# KiCad board pcb.kicad_pcb
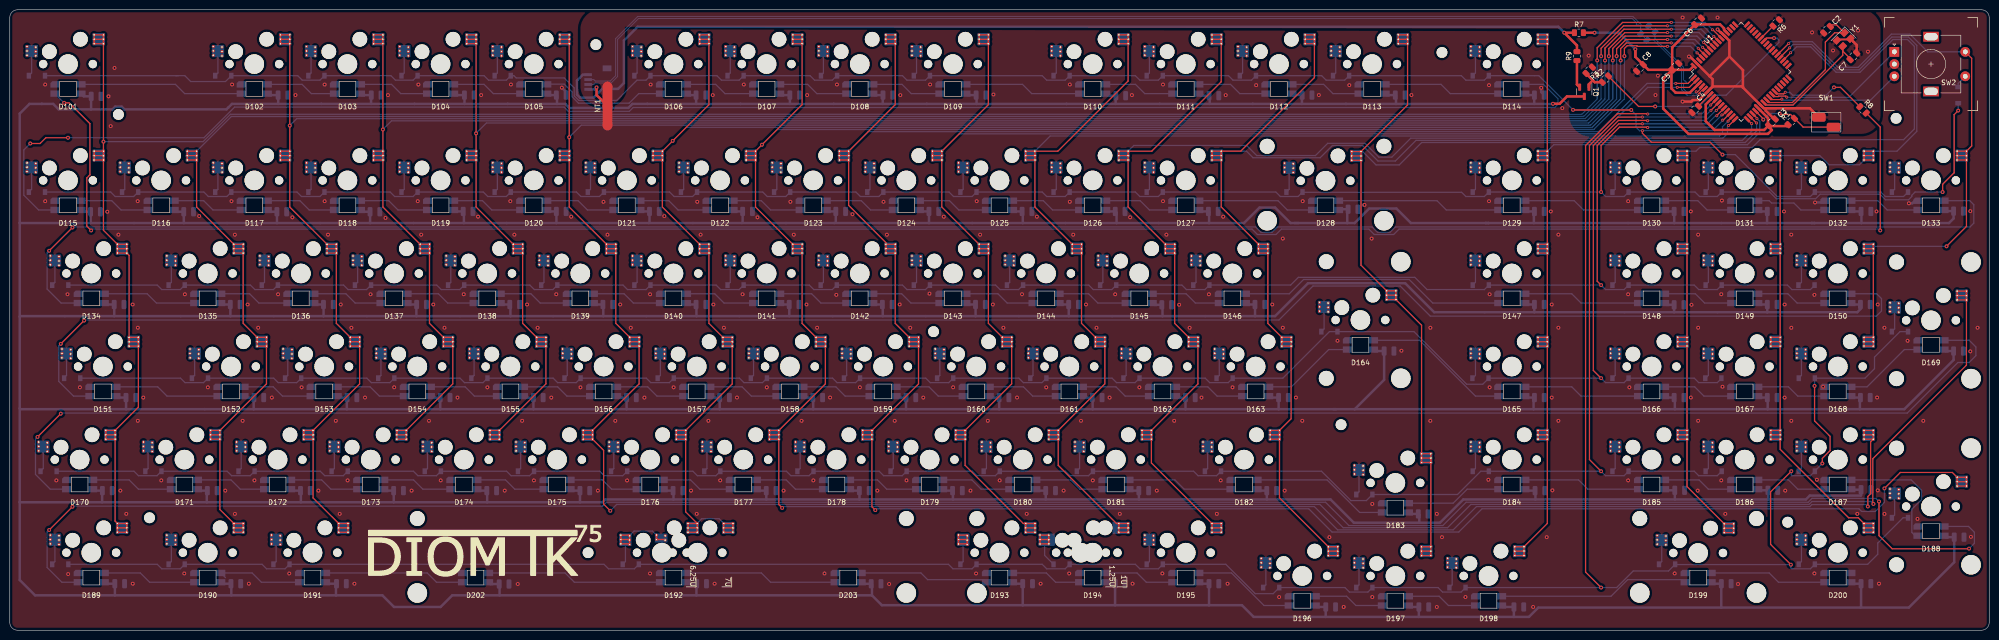
[diagram p0: board, top side]
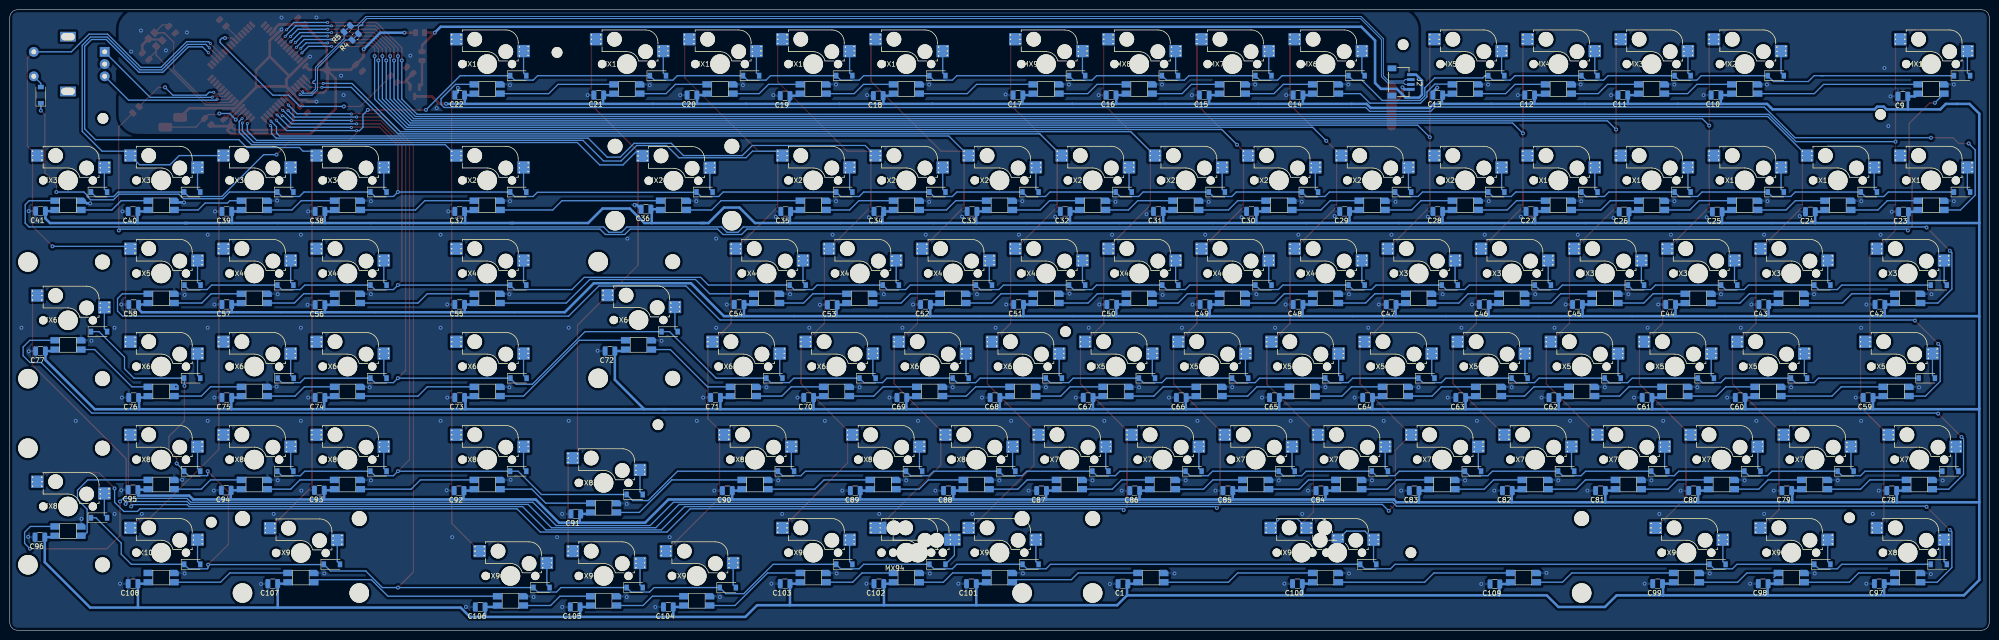
[diagram p1: board, bottom side, seen from below]

Outline 404.81 x 127 mm; copper layers: Top, Bottom. Coordinates in mm from the lower left corner of the outline.
Outline path: 0,125.41 arc(0.46,126.54) 1.59,127 403.23,127 arc(404.35,126.54) 404.81,125.41 404.81,1.59 arc(404.35,0.46) 403.23,0 1.59,0 arc(0.47,0.46) 0,1.59 0,125.41
Stack: Top 0.035mm / dielectric 1.51mm FR4 er 4.5 / Bottom 0.035mm

## Placement (name value [footprint] x y rotation side)
C1  100nF  [led_capacitor]  177.17 9.51 0 bottom
C2  22pF  [C_0805_2012Metric]  371.63 122.91 225 top
C3  0.1uF  [C_0805_2012Metric]  360.36 103.98 45 top
C4  1uF  [C_0805_2012Metric]  344.68 106.62 225 top
C5  0.1uF  [C_0805_2012Metric]  340.65 115.38 45 top
C6  0.1uF  [C_0805_2012Metric]  345.28 124.62 45 top
C7  22pF  [C_0805_2012Metric]  377.03 117.48 45 top
C8  10uF  [C_0805_2012Metric]  333.38 115.09 225 top
C9  100nF  [led_capacitor]  17.65 109.28 0 bottom
C10  100nF  [led_capacitor]  55.88 109.54 0 bottom
C11  100nF  [led_capacitor]  74.93 109.54 0 bottom
C12  100nF  [led_capacitor]  93.98 109.54 0 bottom
C13  100nF  [led_capacitor]  112.78 109.54 0 bottom
C14  100nF  [led_capacitor]  141.35 109.54 0 bottom
C15  100nF  [led_capacitor]  160.53 109.54 0 bottom
C16  100nF  [led_capacitor]  179.58 109.54 0 bottom
C17  100nF  [led_capacitor]  198.63 109.54 0 bottom
C18  100nF  [led_capacitor]  227.2 109.41 0 bottom
C19  100nF  [led_capacitor]  246.25 109.41 0 bottom
C20  100nF  [led_capacitor]  265.3 109.54 0 bottom
C21  100nF  [led_capacitor]  284.35 109.54 0 bottom
C22  100nF  [led_capacitor]  312.8 109.54 0 bottom
C23  100nF  [led_capacitor]  17.53 85.66 0 bottom
C24  100nF  [led_capacitor]  36.58 85.66 0 bottom
C25  100nF  [led_capacitor]  55.63 85.66 0 bottom
C26  100nF  [led_capacitor]  74.68 85.66 0 bottom
C27  100nF  [led_capacitor]  93.73 85.73 0 bottom
C28  100nF  [led_capacitor]  112.78 85.73 0 bottom
C29  100nF  [led_capacitor]  131.83 85.73 0 bottom
C30  100nF  [led_capacitor]  150.88 85.73 0 bottom
C31  100nF  [led_capacitor]  169.93 85.73 0 bottom
C32  100nF  [led_capacitor]  188.98 85.73 0 bottom
C33  100nF  [led_capacitor]  208.03 85.73 0 bottom
C34  100nF  [led_capacitor]  227.08 85.73 0 bottom
C35  100nF  [led_capacitor]  246.13 85.73 0 bottom
C36  100nF  [led_capacitor]  274.7 86.17 0 bottom
C37  100nF  [led_capacitor]  312.8 85.73 0 bottom
C38  100nF  [led_capacitor]  341.38 85.73 0 bottom
C39  100nF  [led_capacitor]  360.43 85.73 0 bottom
C40  100nF  [led_capacitor]  379.6 85.73 0 bottom
C41  100nF  [led_capacitor]  398.53 85.79 0 bottom
C42  100nF  [led_capacitor]  22.35 66.68 0 bottom
C43  100nF  [led_capacitor]  46.1 66.68 0 bottom
C44  100nF  [led_capacitor]  65.15 66.68 0 bottom
C45  100nF  [led_capacitor]  84.2 66.68 0 bottom
C46  100nF  [led_capacitor]  103.25 66.68 0 bottom
C47  100nF  [led_capacitor]  122.3 66.68 0 bottom
C48  100nF  [led_capacitor]  141.35 66.68 0 bottom
C49  100nF  [led_capacitor]  160.4 66.68 0 bottom
C50  100nF  [led_capacitor]  179.45 66.68 0 bottom
C51  100nF  [led_capacitor]  198.5 66.68 0 bottom
C52  100nF  [led_capacitor]  217.55 66.68 0 bottom
C53  100nF  [led_capacitor]  236.6 66.61 0 bottom
C54  100nF  [led_capacitor]  255.65 66.68 0 bottom
C55  100nF  [led_capacitor]  312.8 66.68 0 bottom
C56  100nF  [led_capacitor]  341.38 66.61 0 bottom
C57  100nF  [led_capacitor]  360.43 66.68 0 bottom
C58  100nF  [led_capacitor]  379.48 66.68 0 bottom
C59  100nF  [led_capacitor]  24.77 47.63 0 bottom
C60  100nF  [led_capacitor]  50.93 47.63 0 bottom
C61  100nF  [led_capacitor]  69.98 47.63 0 bottom
C62  100nF  [led_capacitor]  89.03 47.63 0 bottom
C63  100nF  [led_capacitor]  108.08 47.63 0 bottom
C64  100nF  [led_capacitor]  127.13 47.63 0 bottom
C65  100nF  [led_capacitor]  146.18 47.63 0 bottom
C66  100nF  [led_capacitor]  165.23 47.63 0 bottom
C67  100nF  [led_capacitor]  184.28 47.63 0 bottom
C68  100nF  [led_capacitor]  203.33 47.63 0 bottom
C69  100nF  [led_capacitor]  222.38 47.63 0 bottom
C70  100nF  [led_capacitor]  241.43 47.63 0 bottom
C71  100nF  [led_capacitor]  260.48 47.63 0 bottom
C72  100nF  [led_capacitor]  282.07 57.15 0 bottom
C73  100nF  [led_capacitor]  312.8 47.63 0 bottom
C74  100nF  [led_capacitor]  341.38 47.63 0 bottom
C75  100nF  [led_capacitor]  360.43 47.63 0 bottom
C76  100nF  [led_capacitor]  379.48 47.63 0 bottom
C77  100nF  [led_capacitor]  398.53 57.15 0 bottom
C78  100nF  [led_capacitor]  19.94 28.58 0 bottom
C79  100nF  [led_capacitor]  41.4 28.58 0 bottom
C80  100nF  [led_capacitor]  60.45 28.58 0 bottom
C81  100nF  [led_capacitor]  79.5 28.58 0 bottom
C82  100nF  [led_capacitor]  98.55 28.58 0 bottom
C83  100nF  [led_capacitor]  117.6 28.58 0 bottom
C84  100nF  [led_capacitor]  136.65 28.58 0 bottom
C85  100nF  [led_capacitor]  155.7 28.58 0 bottom
C86  100nF  [led_capacitor]  174.75 28.58 0 bottom
C87  100nF  [led_capacitor]  193.8 28.58 0 bottom
C88  100nF  [led_capacitor]  212.85 28.58 0 bottom
C89  100nF  [led_capacitor]  231.9 28.58 0 bottom
C90  100nF  [led_capacitor]  258.06 28.58 0 bottom
C91  100nF  [led_capacitor]  289.05 23.81 0 bottom
C92  100nF  [led_capacitor]  312.93 28.58 0 bottom
C93  100nF  [led_capacitor]  341.5 28.64 0 bottom
C94  100nF  [led_capacitor]  360.55 28.64 0 bottom
C95  100nF  [led_capacitor]  379.6 28.77 0 bottom
C96  100nF  [led_capacitor]  398.65 19.05 0 bottom
C97  100nF  [led_capacitor]  22.48 9.53 0 bottom
C98  100nF  [led_capacitor]  46.23 9.53 0 bottom
C99  100nF  [led_capacitor]  67.82 9.53 0 bottom
C100  100nF  [led_capacitor]  141.48 9.53 0 bottom
C101  100nF  [led_capacitor]  208.15 9.53 0 bottom
C102  100nF  [led_capacitor]  227.08 9.53 0 bottom
C103  100nF  [led_capacitor]  246.25 9.53 0 bottom
C104  100nF  [led_capacitor]  270.13 4.76 0 bottom
C105  100nF  [led_capacitor]  289.18 4.76 0 bottom
C106  100nF  [led_capacitor]  308.61 4.76 0 bottom
C107  100nF  [led_capacitor]  351.03 9.53 0 bottom
C108  100nF  [led_capacitor]  379.6 9.53 0 bottom
C109  100nF  [led_capacitor]  101.09 9.46 0 bottom
D1  1.25V@150mA  [D_SOD-123]  5.56 113.51 180 bottom
D2  1.25V@150mA  [D_SOD-123]  43.66 113.51 180 bottom
D3  1.25V@150mA  [D_SOD-123]  62.71 113.51 180 bottom
D4  1.25V@150mA  [D_SOD-123]  81.76 113.51 180 bottom
D5  1.25V@150mA  [D_SOD-123]  100.81 113.51 180 bottom
D6  1.25V@150mA  [D_SOD-123]  129.38 113.51 180 bottom
D7  1.25V@150mA  [D_SOD-123]  148.43 113.51 180 bottom
D8  1.25V@150mA  [D_SOD-123]  167.54 113.51 180 bottom
D9  1.25V@150mA  [D_SOD-123]  186.53 113.51 180 bottom
D10  1.25V@150mA  [D_SOD-123]  215.11 113.51 180 bottom
D11  1.25V@150mA  [D_SOD-123]  234.16 113.51 180 bottom
D12  1.25V@150mA  [D_SOD-123]  253.21 113.51 180 bottom
D13  1.25V@150mA  [D_SOD-123]  272.26 113.51 180 bottom
D14  1.25V@150mA  [D_SOD-123]  300.83 113.51 180 bottom
D15  1.25V@150mA  [D_SOD-123]  5.56 89.69 180 bottom
D16  1.25V@150mA  [D_SOD-123]  24.61 89.69 180 bottom
D17  1.25V@150mA  [D_SOD-123]  43.66 89.69 180 bottom
D18  1.25V@150mA  [D_SOD-123]  62.71 89.69 180 bottom
D19  1.25V@150mA  [D_SOD-123]  81.76 89.69 180 bottom
D20  1.25V@150mA  [D_SOD-123]  100.81 89.69 180 bottom
D21  1.25V@150mA  [D_SOD-123]  119.86 89.69 180 bottom
D22  1.25V@150mA  [D_SOD-123]  138.91 89.69 180 bottom
D23  1.25V@150mA  [D_SOD-123]  157.96 89.69 180 bottom
D24  1.25V@150mA  [D_SOD-123]  177.01 89.69 180 bottom
D25  1.25V@150mA  [D_SOD-123]  196.06 89.69 180 bottom
D26  1.25V@150mA  [D_SOD-123]  215.11 89.69 180 bottom
D27  1.25V@150mA  [D_SOD-123]  234.16 89.69 180 bottom
D28  1.25V@150mA  [D_SOD-123]  262.73 89.69 180 bottom
D29  1.25V@150mA  [D_SOD-123]  300.83 89.69 180 bottom
D30  1.25V@150mA  [D_SOD-123]  329.41 89.69 180 bottom
D31  1.25V@150mA  [D_SOD-123]  348.46 89.69 180 bottom
D32  1.25V@150mA  [D_SOD-123]  367.51 89.69 180 bottom
D33  1.25V@150mA  [D_SOD-123]  386.56 89.69 180 bottom
D34  1.25V@150mA  [D_SOD-123]  10.32 70.64 180 bottom
D35  1.25V@150mA  [D_SOD-123]  34.13 70.64 180 bottom
D36  1.25V@150mA  [D_SOD-123]  53.18 70.64 180 bottom
D37  1.25V@150mA  [D_SOD-123]  72.23 70.64 180 bottom
D38  1.25V@150mA  [D_SOD-123]  91.28 70.64 180 bottom
D39  1.25V@150mA  [D_SOD-123]  110.33 70.64 180 bottom
D40  1.25V@150mA  [D_SOD-123]  129.38 70.64 180 bottom
D41  1.25V@150mA  [D_SOD-123]  148.43 70.64 180 bottom
D42  1.25V@150mA  [D_SOD-123]  167.48 70.64 180 bottom
D43  1.25V@150mA  [D_SOD-123]  186.53 70.64 180 bottom
D44  1.25V@150mA  [D_SOD-123]  205.58 70.64 180 bottom
D45  1.25V@150mA  [D_SOD-123]  224.63 70.64 180 bottom
D46  1.25V@150mA  [D_SOD-123]  243.68 70.64 180 bottom
D47  1.25V@150mA  [D_SOD-123]  300.83 70.64 180 bottom
D48  1.25V@150mA  [D_SOD-123]  329.41 70.64 180 bottom
D49  1.25V@150mA  [D_SOD-123]  348.46 70.64 180 bottom
D50  1.25V@150mA  [D_SOD-123]  367.44 70.64 180 bottom
D51  1.25V@150mA  [D_SOD-123]  12.76 51.59 180 bottom
D52  1.25V@150mA  [D_SOD-123]  38.89 51.59 180 bottom
D53  1.25V@150mA  [D_SOD-123]  57.94 51.59 180 bottom
D54  1.25V@150mA  [D_SOD-123]  76.99 51.59 180 bottom
D55  1.25V@150mA  [D_SOD-123]  96.04 51.59 180 bottom
D56  1.25V@150mA  [D_SOD-123]  115.09 51.59 180 bottom
D57  1.25V@150mA  [D_SOD-123]  134.14 51.59 180 bottom
D58  1.25V@150mA  [D_SOD-123]  153.19 51.59 180 bottom
D59  1.25V@150mA  [D_SOD-123]  172.24 51.59 180 bottom
D60  1.25V@150mA  [D_SOD-123]  191.29 51.59 180 bottom
D61  1.25V@150mA  [D_SOD-123]  210.34 51.59 180 bottom
D62  1.25V@150mA  [D_SOD-123]  229.39 51.59 180 bottom
D63  1.25V@150mA  [D_SOD-123]  248.44 51.59 180 bottom
D64  1.25V@150mA  [D_SOD-123]  269.88 61.12 180 bottom
D65  1.25V@150mA  [D_SOD-123]  300.77 51.59 180 bottom
D66  1.25V@150mA  [D_SOD-123]  329.41 51.59 180 bottom
D67  1.25V@150mA  [D_SOD-123]  348.39 51.59 180 bottom
D68  1.25V@150mA  [D_SOD-123]  367.51 51.59 180 bottom
D69  1.25V@150mA  [D_SOD-123]  386.56 61.12 180 bottom
D70  1.25V@150mA  [D_SOD-123]  7.94 32.54 180 bottom
D71  1.25V@150mA  [D_SOD-123]  29.37 32.54 180 bottom
D72  1.25V@150mA  [D_SOD-123]  48.42 32.54 180 bottom
D73  1.25V@150mA  [D_SOD-123]  67.47 32.54 180 bottom
D74  1.25V@150mA  [D_SOD-123]  86.52 32.54 180 bottom
D75  1.25V@150mA  [D_SOD-123]  105.57 32.54 180 bottom
D76  1.25V@150mA  [D_SOD-123]  124.62 32.54 180 bottom
D77  1.25V@150mA  [D_SOD-123]  143.67 32.54 180 bottom
D78  1.25V@150mA  [D_SOD-123]  162.72 32.54 180 bottom
D79  1.25V@150mA  [D_SOD-123]  181.77 32.54 180 bottom
D80  1.25V@150mA  [D_SOD-123]  200.82 32.54 180 bottom
D81  1.25V@150mA  [D_SOD-123]  219.87 32.54 180 bottom
D82  1.25V@150mA  [D_SOD-123]  246.06 32.54 180 bottom
D83  1.25V@150mA  [D_SOD-123]  277.02 27.78 180 bottom
D84  1.25V@150mA  [D_SOD-123]  300.83 32.54 180 bottom
D85  1.25V@150mA  [D_SOD-123]  329.41 32.54 180 bottom
D86  1.25V@150mA  [D_SOD-123]  348.46 32.54 180 bottom
D87  1.25V@150mA  [D_SOD-123]  367.51 32.54 180 bottom
D88  1.25V@150mA  [D_SOD-123]  386.56 23.02 180 bottom
D89  1.25V@150mA  [D_SOD-123]  10.32 13.49 180 bottom
D90  1.25V@150mA  [D_SOD-123]  34.13 13.49 180 bottom
D91  1.25V@150mA  [D_SOD-123]  55.56 13.49 180 bottom
D92  1.25V@150mA  [D_SOD-123]  127 13.49 180 bottom
D93  1.25V@150mA  [D_SOD-123]  196.06 13.49 180 bottom
D94  1.25V@150mA  [D_SOD-123]  215.11 13.49 180 bottom
D95  1.25V@150mA  [D_SOD-123]  234.16 13.49 180 bottom
D96  1.25V@150mA  [D_SOD-123]  257.97 8.73 180 bottom
D97  1.25V@150mA  [D_SOD-123]  277.02 8.73 180 bottom
D98  1.25V@150mA  [D_SOD-123]  296.07 8.73 180 bottom
D99  1.25V@150mA  [D_SOD-123]  338.93 13.49 180 bottom
D100  1.25V@150mA  [D_SOD-123]  367.51 13.49 180 bottom
D101  SK6812MINI  [SK6812MINI_3.4x3.0mm_SMD-Back-Flipped]  11.91 115.89 0 top
D102  SK6812MINI  [SK6812MINI_3.4x3.0mm_SMD-Back-Flipped]  50.01 115.89 0 top
D103  SK6812MINI  [SK6812MINI_3.4x3.0mm_SMD-Back-Flipped]  69.06 115.89 0 top
D104  SK6812MINI  [SK6812MINI_3.4x3.0mm_SMD-Back-Flipped]  88.11 115.89 0 top
D105  SK6812MINI  [SK6812MINI_3.4x3.0mm_SMD-Back-Flipped]  107.16 115.89 0 top
D106  SK6812MINI  [SK6812MINI_3.4x3.0mm_SMD-Back-Flipped]  135.73 115.89 0 top
D107  SK6812MINI  [SK6812MINI_3.4x3.0mm_SMD-Back-Flipped]  154.78 115.89 0 top
D108  SK6812MINI  [SK6812MINI_3.4x3.0mm_SMD-Back-Flipped]  173.83 115.89 0 top
D109  SK6812MINI  [SK6812MINI_3.4x3.0mm_SMD-Back-Flipped]  192.88 115.89 0 top
D110  SK6812MINI  [SK6812MINI_3.4x3.0mm_SMD-Back-Flipped]  221.46 115.89 0 top
D111  SK6812MINI  [SK6812MINI_3.4x3.0mm_SMD-Back-Flipped]  240.51 115.89 0 top
D112  SK6812MINI  [SK6812MINI_3.4x3.0mm_SMD-Back-Flipped]  259.56 115.89 0 top
D113  SK6812MINI  [SK6812MINI_3.4x3.0mm_SMD-Back-Flipped]  278.61 115.89 0 top
D114  SK6812MINI  [SK6812MINI_3.4x3.0mm_SMD-Back-Flipped]  307.18 115.89 0 top
D115  SK6812MINI  [SK6812MINI_3.4x3.0mm_SMD-Back-Flipped]  11.91 92.08 0 top
D116  SK6812MINI  [SK6812MINI_3.4x3.0mm_SMD-Back-Flipped]  30.96 92.08 0 top
D117  SK6812MINI  [SK6812MINI_3.4x3.0mm_SMD-Back-Flipped]  50.01 92.08 0 top
D118  SK6812MINI  [SK6812MINI_3.4x3.0mm_SMD-Back-Flipped]  69.06 92.08 0 top
D119  SK6812MINI  [SK6812MINI_3.4x3.0mm_SMD-Back-Flipped]  88.11 92.08 0 top
D120  SK6812MINI  [SK6812MINI_3.4x3.0mm_SMD-Back-Flipped]  107.16 92.08 0 top
D121  SK6812MINI  [SK6812MINI_3.4x3.0mm_SMD-Back-Flipped]  126.21 92.08 0 top
D122  SK6812MINI  [SK6812MINI_3.4x3.0mm_SMD-Back-Flipped]  145.26 92.08 0 top
D123  SK6812MINI  [SK6812MINI_3.4x3.0mm_SMD-Back-Flipped]  164.31 92.08 0 top
D124  SK6812MINI  [SK6812MINI_3.4x3.0mm_SMD-Back-Flipped]  183.36 92.08 0 top
D125  SK6812MINI  [SK6812MINI_3.4x3.0mm_SMD-Back-Flipped]  202.41 92.08 0 top
D126  SK6812MINI  [SK6812MINI_3.4x3.0mm_SMD-Back-Flipped]  221.46 92.08 0 top
D127  SK6812MINI  [SK6812MINI_3.4x3.0mm_SMD-Back-Flipped]  240.51 92.08 0 top
D128  SK6812MINI  [SK6812MINI_3.4x3.0mm_SMD-Back-Flipped]  269.08 92.08 0 top
D129  SK6812MINI  [SK6812MINI_3.4x3.0mm_SMD-Back-Flipped]  307.18 92.08 0 top
D130  SK6812MINI  [SK6812MINI_3.4x3.0mm_SMD-Back-Flipped]  335.76 92.08 0 top
D131  SK6812MINI  [SK6812MINI_3.4x3.0mm_SMD-Back-Flipped]  354.81 92.08 0 top
D132  SK6812MINI  [SK6812MINI_3.4x3.0mm_SMD-Back-Flipped]  373.86 92.08 0 top
D133  SK6812MINI  [SK6812MINI_3.4x3.0mm_SMD-Back-Flipped]  392.91 92.08 0 top
D134  SK6812MINI  [SK6812MINI_3.4x3.0mm_SMD-Back-Flipped]  16.67 73.03 0 top
D135  SK6812MINI  [SK6812MINI_3.4x3.0mm_SMD-Back-Flipped]  40.48 73.03 0 top
D136  SK6812MINI  [SK6812MINI_3.4x3.0mm_SMD-Back-Flipped]  59.53 73.03 0 top
D137  SK6812MINI  [SK6812MINI_3.4x3.0mm_SMD-Back-Flipped]  78.58 73.03 0 top
D138  SK6812MINI  [SK6812MINI_3.4x3.0mm_SMD-Back-Flipped]  97.63 73.03 0 top
D139  SK6812MINI  [SK6812MINI_3.4x3.0mm_SMD-Back-Flipped]  116.68 73.03 0 top
D140  SK6812MINI  [SK6812MINI_3.4x3.0mm_SMD-Back-Flipped]  135.73 73.03 0 top
D141  SK6812MINI  [SK6812MINI_3.4x3.0mm_SMD-Back-Flipped]  154.78 73.03 0 top
D142  SK6812MINI  [SK6812MINI_3.4x3.0mm_SMD-Back-Flipped]  173.83 73.03 0 top
D143  SK6812MINI  [SK6812MINI_3.4x3.0mm_SMD-Back-Flipped]  192.88 73.03 0 top
D144  SK6812MINI  [SK6812MINI_3.4x3.0mm_SMD-Back-Flipped]  211.93 73.03 0 top
D145  SK6812MINI  [SK6812MINI_3.4x3.0mm_SMD-Back-Flipped]  230.98 73.03 0 top
D146  SK6812MINI  [SK6812MINI_3.4x3.0mm_SMD-Back-Flipped]  250.03 73.03 0 top
D147  SK6812MINI  [SK6812MINI_3.4x3.0mm_SMD-Back-Flipped]  307.18 73.03 0 top
D148  SK6812MINI  [SK6812MINI_3.4x3.0mm_SMD-Back-Flipped]  335.76 73.03 0 top
D149  SK6812MINI  [SK6812MINI_3.4x3.0mm_SMD-Back-Flipped]  354.81 73.03 0 top
D150  SK6812MINI  [SK6812MINI_3.4x3.0mm_SMD-Back-Flipped]  373.86 73.03 0 top
D151  SK6812MINI  [SK6812MINI_3.4x3.0mm_SMD-Back-Flipped]  19.05 53.98 0 top
D152  SK6812MINI  [SK6812MINI_3.4x3.0mm_SMD-Back-Flipped]  45.24 53.98 0 top
D153  SK6812MINI  [SK6812MINI_3.4x3.0mm_SMD-Back-Flipped]  64.29 53.98 0 top
D154  SK6812MINI  [SK6812MINI_3.4x3.0mm_SMD-Back-Flipped]  83.34 53.98 0 top
D155  SK6812MINI  [SK6812MINI_3.4x3.0mm_SMD-Back-Flipped]  102.39 53.98 0 top
D156  SK6812MINI  [SK6812MINI_3.4x3.0mm_SMD-Back-Flipped]  121.44 53.98 0 top
D157  SK6812MINI  [SK6812MINI_3.4x3.0mm_SMD-Back-Flipped]  140.49 53.98 0 top
D158  SK6812MINI  [SK6812MINI_3.4x3.0mm_SMD-Back-Flipped]  159.54 53.98 0 top
D159  SK6812MINI  [SK6812MINI_3.4x3.0mm_SMD-Back-Flipped]  178.59 53.98 0 top
D160  SK6812MINI  [SK6812MINI_3.4x3.0mm_SMD-Back-Flipped]  197.64 53.98 0 top
D161  SK6812MINI  [SK6812MINI_3.4x3.0mm_SMD-Back-Flipped]  216.69 53.98 0 top
D162  SK6812MINI  [SK6812MINI_3.4x3.0mm_SMD-Back-Flipped]  235.74 53.98 0 top
D163  SK6812MINI  [SK6812MINI_3.4x3.0mm_SMD-Back-Flipped]  254.79 53.98 0 top
D164  SK6812MINI  [SK6812MINI_3.4x3.0mm_SMD-Back-Flipped]  276.23 63.5 0 top
D165  SK6812MINI  [SK6812MINI_3.4x3.0mm_SMD-Back-Flipped]  307.18 53.98 0 top
D166  SK6812MINI  [SK6812MINI_3.4x3.0mm_SMD-Back-Flipped]  335.76 53.98 0 top
D167  SK6812MINI  [SK6812MINI_3.4x3.0mm_SMD-Back-Flipped]  354.81 53.98 0 top
D168  SK6812MINI  [SK6812MINI_3.4x3.0mm_SMD-Back-Flipped]  373.86 53.98 0 top
D169  SK6812MINI  [SK6812MINI_3.4x3.0mm_SMD-Back-Flipped]  392.91 63.5 0 top
D170  SK6812MINI  [SK6812MINI_3.4x3.0mm_SMD-Back-Flipped]  14.29 34.93 0 top
D171  SK6812MINI  [SK6812MINI_3.4x3.0mm_SMD-Back-Flipped]  35.72 34.93 0 top
D172  SK6812MINI  [SK6812MINI_3.4x3.0mm_SMD-Back-Flipped]  54.77 34.93 0 top
D173  SK6812MINI  [SK6812MINI_3.4x3.0mm_SMD-Back-Flipped]  73.82 34.93 0 top
D174  SK6812MINI  [SK6812MINI_3.4x3.0mm_SMD-Back-Flipped]  92.87 34.93 0 top
D175  SK6812MINI  [SK6812MINI_3.4x3.0mm_SMD-Back-Flipped]  111.92 34.93 0 top
D176  SK6812MINI  [SK6812MINI_3.4x3.0mm_SMD-Back-Flipped]  130.97 34.93 0 top
D177  SK6812MINI  [SK6812MINI_3.4x3.0mm_SMD-Back-Flipped]  150.02 34.93 0 top
D178  SK6812MINI  [SK6812MINI_3.4x3.0mm_SMD-Back-Flipped]  169.07 34.93 0 top
D179  SK6812MINI  [SK6812MINI_3.4x3.0mm_SMD-Back-Flipped]  188.12 34.93 0 top
D180  SK6812MINI  [SK6812MINI_3.4x3.0mm_SMD-Back-Flipped]  207.17 34.93 0 top
D181  SK6812MINI  [SK6812MINI_3.4x3.0mm_SMD-Back-Flipped]  226.22 34.93 0 top
D182  SK6812MINI  [SK6812MINI_3.4x3.0mm_SMD-Back-Flipped]  252.41 34.93 0 top
D183  SK6812MINI  [SK6812MINI_3.4x3.0mm_SMD-Back-Flipped]  283.37 30.16 0 top
D184  SK6812MINI  [SK6812MINI_3.4x3.0mm_SMD-Back-Flipped]  307.18 34.93 0 top
D185  SK6812MINI  [SK6812MINI_3.4x3.0mm_SMD-Back-Flipped]  335.76 34.93 0 top
D186  SK6812MINI  [SK6812MINI_3.4x3.0mm_SMD-Back-Flipped]  354.81 34.93 0 top
D187  SK6812MINI  [SK6812MINI_3.4x3.0mm_SMD-Back-Flipped]  373.86 34.93 0 top
D188  SK6812MINI  [SK6812MINI_3.4x3.0mm_SMD-Back-Flipped]  392.91 25.4 0 top
D189  SK6812MINI  [SK6812MINI_3.4x3.0mm_SMD-Back-Flipped]  16.67 15.88 0 top
D190  SK6812MINI  [SK6812MINI_3.4x3.0mm_SMD-Back-Flipped]  40.48 15.88 0 top
D191  SK6812MINI  [SK6812MINI_3.4x3.0mm_SMD-Back-Flipped]  61.91 15.88 0 top
D192  SK6812MINI  [SK6812MINI_3.4x3.0mm_SMD-Back-Flipped]  135.73 15.88 0 top
D193  SK6812MINI  [SK6812MINI_3.4x3.0mm_SMD-Back-Flipped]  202.41 15.88 0 top
D194  SK6812MINI  [SK6812MINI_3.4x3.0mm_SMD-Back-Flipped]  221.46 15.88 0 top
D195  SK6812MINI  [SK6812MINI_3.4x3.0mm_SMD-Back-Flipped]  240.51 15.88 0 top
D196  SK6812MINI  [SK6812MINI_3.4x3.0mm_SMD-Back-Flipped]  264.32 11.11 0 top
D197  SK6812MINI  [SK6812MINI_3.4x3.0mm_SMD-Back-Flipped]  283.37 11.11 0 top
D198  SK6812MINI  [SK6812MINI_3.4x3.0mm_SMD-Back-Flipped]  302.42 11.11 0 top
D199  SK6812MINI  [SK6812MINI_3.4x3.0mm_SMD-Back-Flipped]  345.28 15.88 0 top
D200  SK6812MINI  [SK6812MINI_3.4x3.0mm_SMD-Back-Flipped]  373.86 15.88 0 top
D201  1.25V@150mA  [D_SOD-123]  398.46 109.54 90 bottom
D202  SK6812MINI  [SK6812MINI_3.4x3.0mm_SMD-Back-Flipped]  95.25 15.88 0 top
D203  SK6812MINI  [SK6812MINI_3.4x3.0mm_SMD-Back-Flipped]  171.45 15.88 0 top
H1  MountingHole  [MountingHole_2.2mm_M2]  28.58 23.02 0 top
H2  MountingHole  [MountingHole_2.2mm_M2]  363.6 22.11 0 top
H3  MountingHole  [MountingHole_2.2mm_M2]  272.26 42.07 0 top
H4  MountingHole  [MountingHole_2.2mm_M2]  119.86 119.86 0 top
H5  MountingHole  [MountingHole_2.2mm_M2]  188.91 61.12 0 top
H6  MountingHole  [MountingHole_2.2mm_M2]  118.27 15.88 0 top
H7  MountingHole  [MountingHole_2.2mm_M2]  292.89 118.27 0 top
H8  MountingHole  [MountingHole_2.2mm_M2]  385.76 104.78 0 top
H9  MountingHole  [MountingHole_2.2mm_M2]  22.23 105.57 0 top
J2  Conn_01x04  [JST-SR-4]  123.05 112.21 270 bottom
MX1  MX-NoLED  [Kailh-Hotswap-1U]  11.91 115.89 0 top
MX2  MX-NoLED  [Kailh-Hotswap-1U]  50.01 115.89 0 top
MX3  MX-NoLED  [Kailh-Hotswap-1U]  69.06 115.89 0 top
MX4  MX-NoLED  [Kailh-Hotswap-1U]  88.11 115.89 0 top
MX5  MX-NoLED  [Kailh-Hotswap-1U]  107.16 115.89 0 top
MX6  MX-NoLED  [Kailh-Hotswap-1U]  135.73 115.89 0 top
MX7  MX-NoLED  [Kailh-Hotswap-1U]  154.78 115.89 0 top
MX8  MX-NoLED  [Kailh-Hotswap-1U]  173.83 115.89 0 top
MX9  MX-NoLED  [Kailh-Hotswap-1U]  192.88 115.89 0 top
MX10  MX-NoLED  [Kailh-Hotswap-1U]  221.46 115.89 0 top
MX11  MX-NoLED  [Kailh-Hotswap-1U]  240.51 115.89 0 top
MX12  MX-NoLED  [Kailh-Hotswap-1U]  259.56 115.89 0 top
MX13  MX-NoLED  [Kailh-Hotswap-1U]  278.61 115.89 0 top
MX14  MX-NoLED  [Kailh-Hotswap-1U]  307.18 115.89 0 top
MX15  MX-NoLED  [Kailh-Hotswap-1U]  11.91 92.08 0 top
MX16  MX-NoLED  [Kailh-Hotswap-1U]  30.96 92.08 0 top
MX17  MX-NoLED  [Kailh-Hotswap-1U]  50.01 92.08 0 top
MX18  MX-NoLED  [Kailh-Hotswap-1U]  69.06 92.08 0 top
MX19  MX-NoLED  [Kailh-Hotswap-1U]  88.11 92.08 0 top
MX20  MX-NoLED  [Kailh-Hotswap-1U]  107.16 92.08 0 top
MX21  MX-NoLED  [Kailh-Hotswap-1U]  126.21 92.08 0 top
MX22  MX-NoLED  [Kailh-Hotswap-1U]  145.26 92.08 0 top
MX23  MX-NoLED  [Kailh-Hotswap-1U]  164.31 92.08 0 top
MX24  MX-NoLED  [Kailh-Hotswap-1U]  183.36 92.08 0 top
MX25  MX-NoLED  [Kailh-Hotswap-1U]  202.41 92.08 0 top
MX26  MX-NoLED  [Kailh-Hotswap-1U]  221.46 92.08 0 top
MX27  MX-NoLED  [Kailh-Hotswap-1U]  240.51 92.08 0 top
MX28  MX-NoLED  [Kailh-Hotswap-2U]  269.08 92.08 0 top
MX29  MX-NoLED  [Kailh-Hotswap-1U]  307.18 92.08 0 top
MX30  MX-NoLED  [Kailh-Hotswap-1U]  335.76 92.08 0 top
MX31  MX-NoLED  [Kailh-Hotswap-1U]  354.81 92.08 0 top
MX32  MX-NoLED  [Kailh-Hotswap-1U]  373.86 92.08 0 top
MX33  MX-NoLED  [Kailh-Hotswap-1U]  392.91 92.08 0 top
MX34  MX-NoLED  [Kailh-Hotswap-1.5U]  16.67 73.03 0 top
MX35  MX-NoLED  [Kailh-Hotswap-1U]  40.48 73.03 0 top
MX36  MX-NoLED  [Kailh-Hotswap-1U]  59.53 73.03 0 top
MX37  MX-NoLED  [Kailh-Hotswap-1U]  78.58 73.03 0 top
MX38  MX-NoLED  [Kailh-Hotswap-1U]  97.63 73.03 0 top
MX39  MX-NoLED  [Kailh-Hotswap-1U]  116.68 73.03 0 top
MX40  MX-NoLED  [Kailh-Hotswap-1U]  135.73 73.03 0 top
MX41  MX-NoLED  [Kailh-Hotswap-1U]  154.78 73.03 0 top
MX42  MX-NoLED  [Kailh-Hotswap-1U]  173.83 73.03 0 top
MX43  MX-NoLED  [Kailh-Hotswap-1U]  192.88 73.03 0 top
MX44  MX-NoLED  [Kailh-Hotswap-1U]  211.93 73.03 0 top
MX45  MX-NoLED  [Kailh-Hotswap-1U]  230.98 73.03 0 top
MX46  MX-NoLED  [Kailh-Hotswap-1U]  250.03 73.03 0 top
MX47  MX-NoLED  [Kailh-Hotswap-1U]  307.18 73.03 0 top
MX48  MX-NoLED  [Kailh-Hotswap-1U]  335.76 73.03 0 top
MX49  MX-NoLED  [Kailh-Hotswap-1U]  354.81 73.03 0 top
MX50  MX-NoLED  [Kailh-Hotswap-1U]  373.86 73.03 0 top
MX51  MX-NoLED  [Kailh-Hotswap-1.75U]  19.05 53.98 0 top
MX52  MX-NoLED  [Kailh-Hotswap-1U]  45.24 53.98 0 top
MX53  MX-NoLED  [Kailh-Hotswap-1U]  64.29 53.98 0 top
MX54  MX-NoLED  [Kailh-Hotswap-1U]  83.34 53.98 0 top
MX55  MX-NoLED  [Kailh-Hotswap-1U]  102.39 53.98 0 top
MX56  MX-NoLED  [Kailh-Hotswap-1U]  121.44 53.98 0 top
MX57  MX-NoLED  [Kailh-Hotswap-1U]  140.49 53.98 0 top
MX58  MX-NoLED  [Kailh-Hotswap-1U]  159.54 53.98 0 top
MX59  MX-NoLED  [Kailh-Hotswap-1U]  178.59 53.98 0 top
MX60  MX-NoLED  [Kailh-Hotswap-1U]  197.64 53.98 0 top
MX61  MX-NoLED  [Kailh-Hotswap-1U]  216.69 53.98 0 top
MX62  MX-NoLED  [Kailh-Hotswap-1U]  235.74 53.98 0 top
MX63  MX-NoLED  [Kailh-Hotswap-1U]  254.79 53.98 0 top
MX64  MX-NoLED  [Kailh-Hotswap-EnterISO]  276.23 63.5 0 top
MX65  MX-NoLED  [Kailh-Hotswap-1U]  307.18 53.98 0 top
MX66  MX-NoLED  [Kailh-Hotswap-1U]  335.76 53.98 0 top
MX67  MX-NoLED  [Kailh-Hotswap-1U]  354.81 53.98 0 top
MX68  MX-NoLED  [Kailh-Hotswap-1U]  373.86 53.98 0 top
MX69  MX-NoLED  [Kailh-Hotswap-2U-Vertical]  392.91 63.5 0 top
MX70  MX-NoLED  [Kailh-Hotswap-1.25U]  14.29 34.93 0 top
MX71  MX-NoLED  [Kailh-Hotswap-1U]  35.72 34.93 0 top
MX72  MX-NoLED  [Kailh-Hotswap-1U]  54.77 34.93 0 top
MX73  MX-NoLED  [Kailh-Hotswap-1U]  73.82 34.93 0 top
MX74  MX-NoLED  [Kailh-Hotswap-1U]  92.87 34.93 0 top
MX75  MX-NoLED  [Kailh-Hotswap-1U]  111.92 34.93 0 top
MX76  MX-NoLED  [Kailh-Hotswap-1U]  130.97 34.93 0 top
MX77  MX-NoLED  [Kailh-Hotswap-1U]  150.02 34.93 0 top
MX78  MX-NoLED  [Kailh-Hotswap-1U]  169.07 34.93 0 top
MX79  MX-NoLED  [Kailh-Hotswap-1U]  188.12 34.93 0 top
MX80  MX-NoLED  [Kailh-Hotswap-1U]  207.17 34.93 0 top
MX81  MX-NoLED  [Kailh-Hotswap-1U]  226.22 34.93 0 top
MX82  MX-NoLED  [Kailh-Hotswap-1.75U]  252.41 34.93 0 top
MX83  MX-NoLED  [Kailh-Hotswap-1U]  283.37 30.16 0 top
MX84  MX-NoLED  [Kailh-Hotswap-1U]  307.18 34.93 0 top
MX85  MX-NoLED  [Kailh-Hotswap-1U]  335.76 34.93 0 top
MX86  MX-NoLED  [Kailh-Hotswap-1U]  354.81 34.93 0 top
MX87  MX-NoLED  [Kailh-Hotswap-1U]  373.86 34.93 0 top
MX88  MX-NoLED  [Kailh-Hotswap-2U-Vertical]  392.91 25.4 0 top
MX89  MX-NoLED  [Kailh-Hotswap-1.5U]  16.67 15.88 0 top
MX90  MX-NoLED  [Kailh-Hotswap-1U]  40.48 15.88 0 top
MX91  MX-NoLED  [Kailh-Hotswap-1.25U]  61.91 15.88 0 top
MX92  MX-NoLED  [Kailh-Hotswap-6.25U-7U]  133.35 15.88 0 top
MX93  MX-NoLED  [Kailh-Hotswap-1U]  202.41 15.88 0 top
MX94  MX-NoLED  [Kailh-Hotswap-1U-1.25U]  221.46 15.88 0 top
MX95  MX-NoLED  [Kailh-Hotswap-1U]  240.51 15.88 0 top
MX96  MX-NoLED  [Kailh-Hotswap-1U]  264.32 11.11 0 top
MX97  MX-NoLED  [Kailh-Hotswap-1U]  283.37 11.11 0 top
MX98  MX-NoLED  [Kailh-Hotswap-1U]  302.42 11.11 0 top
MX99  MX-NoLED  [Kailh-Hotswap-2U]  345.28 15.88 0 top
MX100  MX-NoLED  [Kailh-Hotswap-1U]  373.86 15.88 0 top
NT1  NetTie_3  [NetTie-3_SMD_Pad2.0mm]  122.24 107.31 90 top
Q1  2N7002  [SOT-23]  322 110.21 270 top
R1  10k  [R_0805_2012Metric]  364.33 104.13 45 top
R2  10k  [R_0805_2012Metric]  326.3 112.81 45 top
R3  10k  [R_0805_2012Metric]  323 114.61 225 top
R4  22  [R_0805_2012Metric]  334.17 121.44 135 bottom
R5  22  [R_0805_2012Metric]  335.8 123.11 135 bottom
R6  10k  [R_0805_2012Metric]  361.24 124.31 225 top
R7  60  [R_0805_2012Metric]  320.9 122.31 0 top
R8  50  [R_0805_2012Metric]  379 106.51 315 top
R9  46  [R_0805_2012Metric]  320.5 117.51 90 top
SW1  SW_Push  [switch_without_switch]  371.48 103.98 0 top
SW2  RotaryEncoder_Switch  [RotaryEncoder_EC11E-Switch]  392.91 115.89 0 top
U1  AT90USB1286-AU  [TQFP-64_14x14mm_P0.8mm]  354.08 114.3 45 top
Y1  Crystal_GND24_Small  [Crystal_SMD_3225-4Pin_3.2x2.5mm]  375.03 120.91 225 top
